# KiCad board MegaGRRLDesktop.kicad_pcb-v0.6.kicad_pcb (continued)
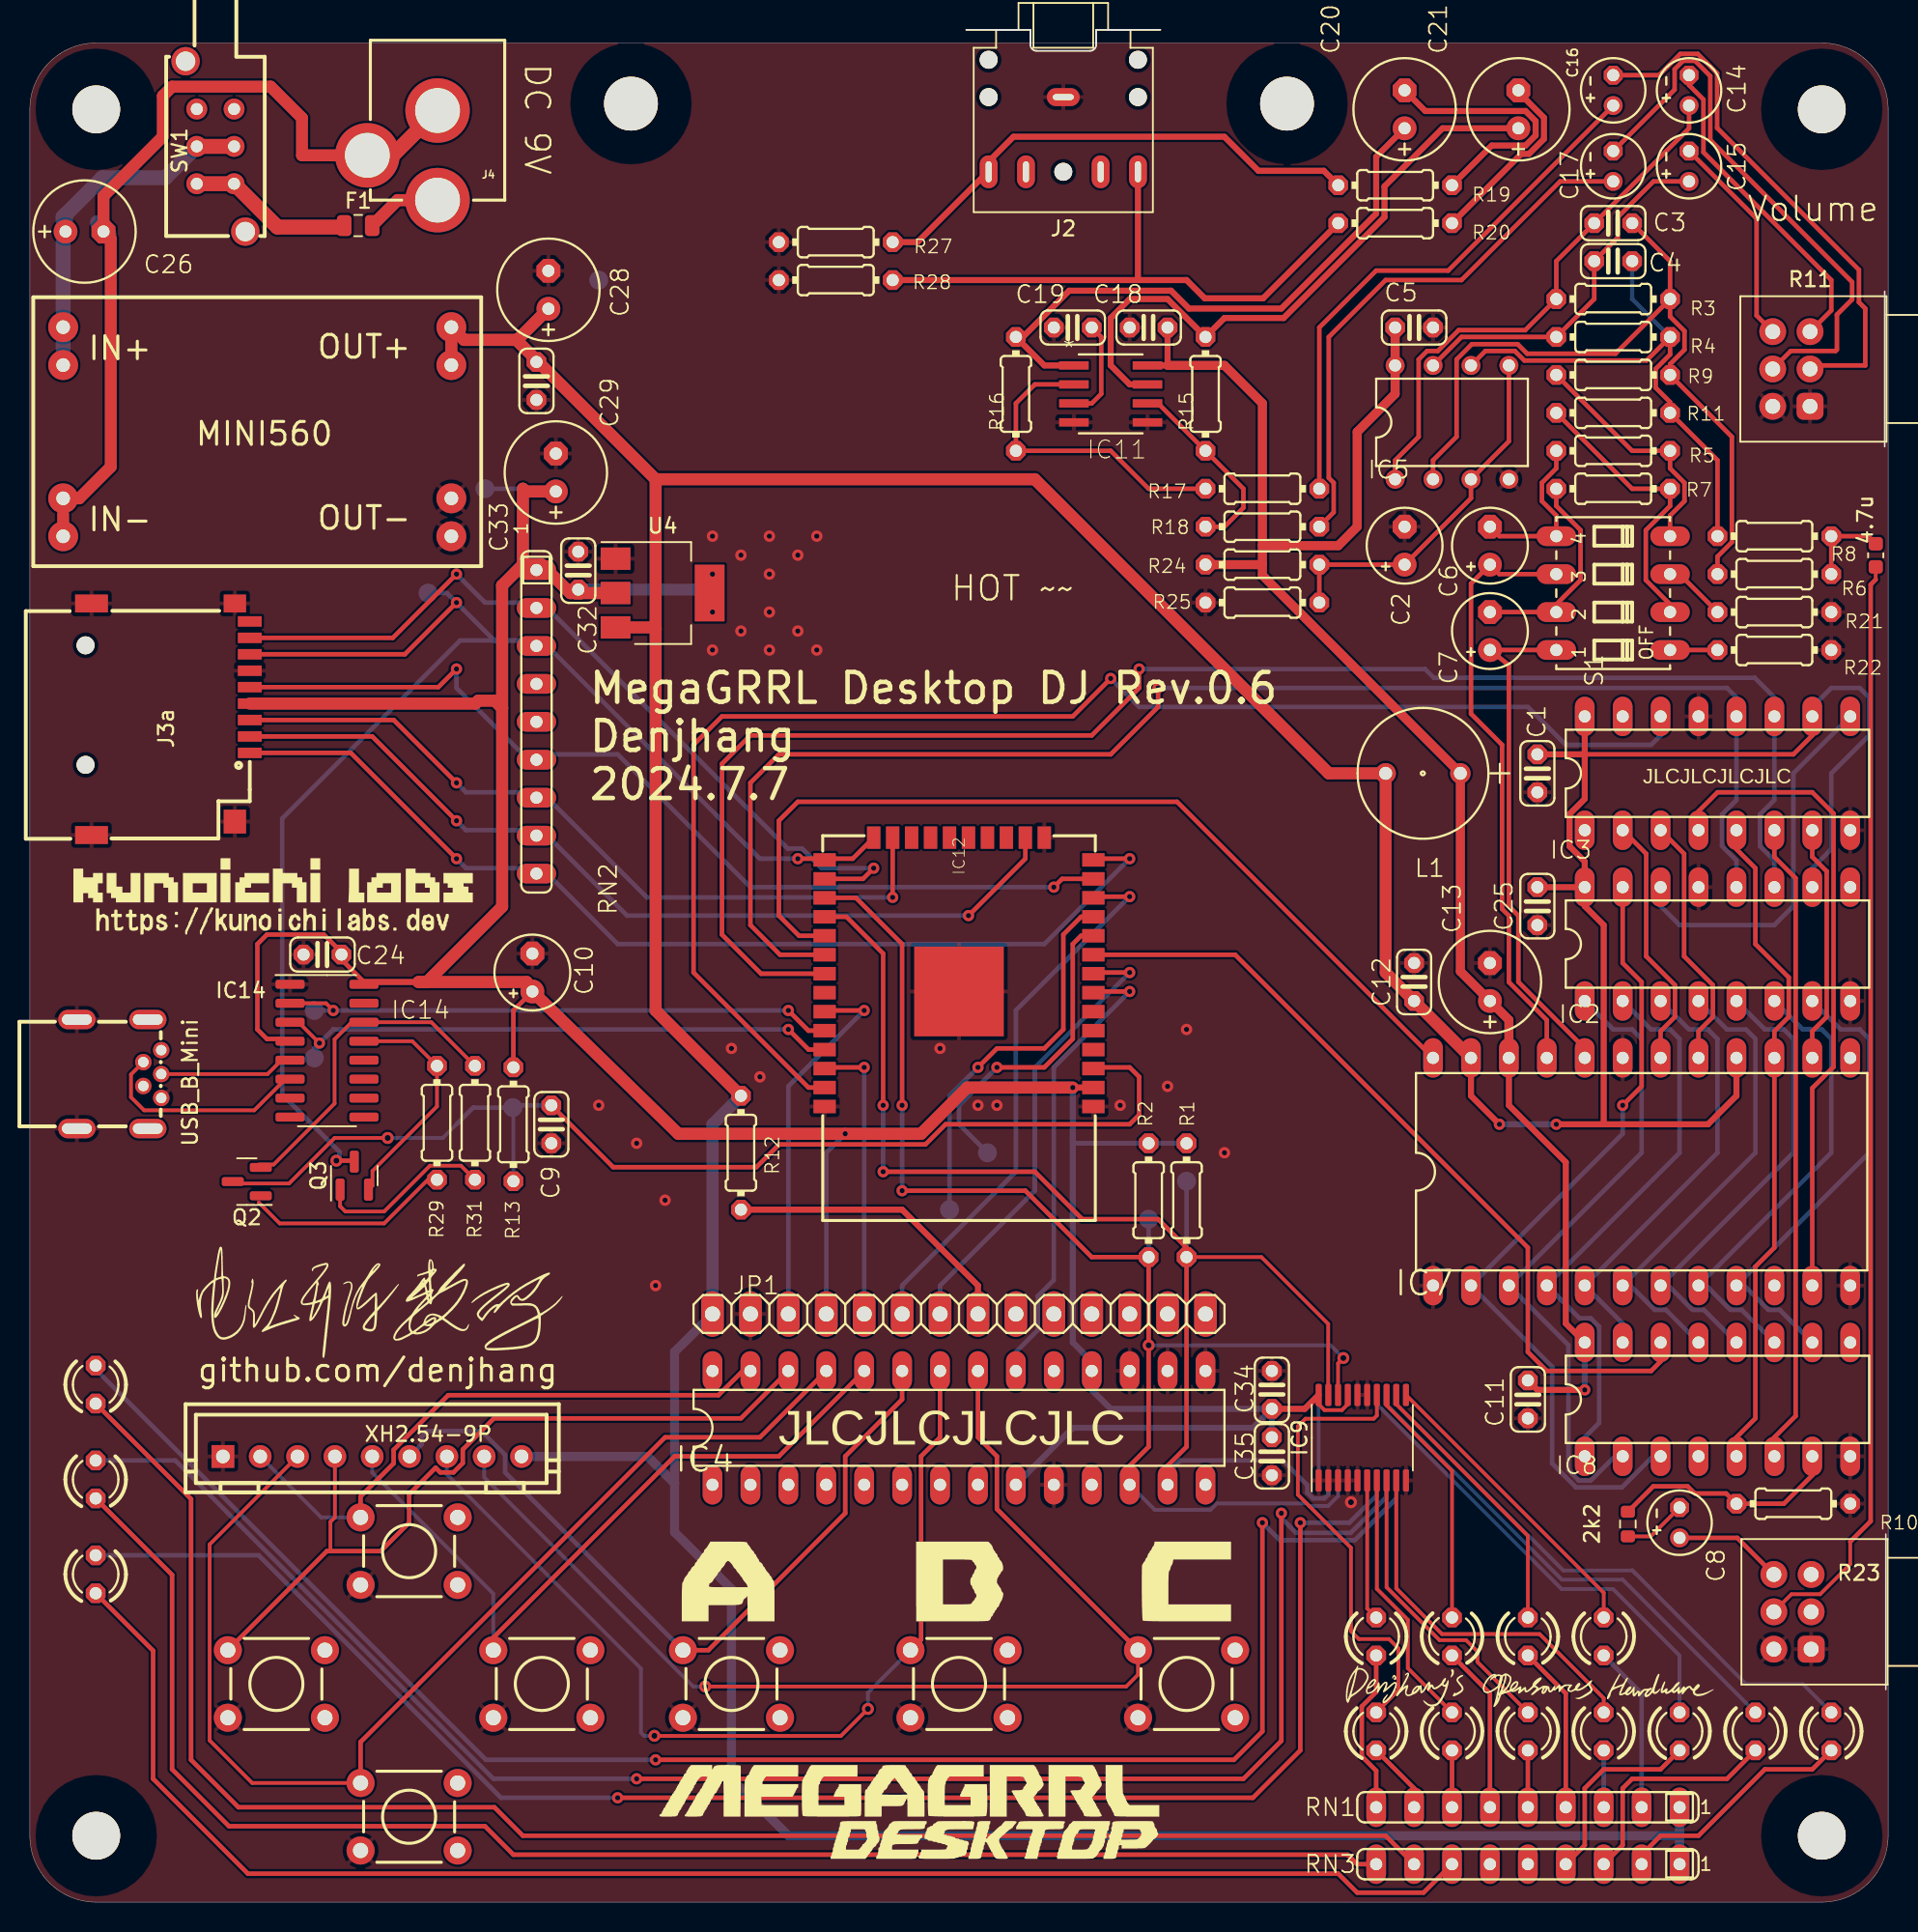
[diagram p0: board, top side]
## Nets
+3V3: C10.+ C24.1 C32.1 C33.+ C34.1 C35.1 IC4.9 IC4.18 IC9.17 IC9.20 IC10.1 IC10.20 IC12.2 IC14.4 IC14.16 J3a.4 JP1.4 R1.2 R2.2 R13.2 RN2.1 TP_3V3.TP U4.2 U4.4
+5V: C1.1 C12.1 C25.1 C28.+ C29.1 IC2.10 IC2.16 IC3.10 IC3.16 IC7./RD IC7.VCC JP1.1 L1.2 R12.2 REF**.4 RN1.1 RN3.1 U4.3 XH2.54-9P.9
+12V: C26.+ REF**.1 SW1.3 SW1.4
GND: C1.2 C2.- C5.2 C9.2 C10.- C11.2 C12.2 C13.- C18.2 C19.2 C24.2 C25.2 C28.- C29.2 C32.2 C33.- C34.2 C35.2 IC2.8 IC2.13 IC3.8 IC3.13 IC4.10 IC4.15 IC4.16 IC4.17 IC5.4 IC7.AGND IC7.GND@1 IC7.GND@2 IC8.GND IC9.1 IC9.2 IC9.3 IC9.4 IC9.5 IC9.10 IC9.15 IC9.16 IC10.2 IC10.3 IC10.4 IC10.5 IC10.10 IC10.15 IC10.16 IC10.17 IC11.4 IC11.5 IC12.1 IC12.15 IC12.38 IC12.GND IC14.1 J2.S J3a.6 J3a.10 J3a.11 J3a.12 J3a.13 JP1.2 R10.2 R11#2.1 R11#2.4 R21.1 R22.1 R23.1 R23.4 R25.1 R27.1 R28.1 REF**.3 SWA0.3 SWB0.3 SWC0.3 SWDOWN0.3 SWLEFT0.3 SWRIGHT0.3 SWUP0.3 TP_GND0.TP U4.1 USB_B_Mini.5 USB_B_Mini.6 USB_B_Mini.7 XH2.54-9P.1
GND-IN: C26.- J4.GND J4.GNDBREAK REF**.2
+5V/2: C5.1 C11.1 C13.+ C18.1 IC5.8 IC7.AVCC IC8.VCC IC11.8 L1.1 R24.2
/Audio/AUDIO_LINEL: C16.+ R17.1
/Audio/AUDIO_LINER: C17.+ R18.1
/Keys/KEY_A: IC4.23 SWA0.1 XH2.54-9P.6
/Keys/KEY_B: IC4.22 SWB0.1 XH2.54-9P.7
/Keys/KEY_C: IC4.21 SWC0.1 XH2.54-9P.8
/Keys/KEY_DOWN: IC4.25 SWDOWN0.1 XH2.54-9P.3
/Keys/KEY_LEFT: IC4.26 SWLEFT0.1 XH2.54-9P.4
/Keys/KEY_RIGHT: IC4.24 SWRIGHT0.1 XH2.54-9P.5
/Keys/KEY_UP: IC4.27 SWUP0.1 XH2.54-9P.2
/LED drivers/FM1: IC9.14 LED1.K
/LED drivers/FM1N: LED1.A RN1.8
/LED drivers/FM2: IC9.7 LED2.K
/LED drivers/FM2N: LED2.A RN1.7
/LED drivers/FM3: IC9.8 LED3.K
/LED drivers/FM3N: LED3.A RN1.5
/LED drivers/FM4: IC9.9 LED4.K
/LED drivers/FM4N: LED4.A RN1.3
/LED drivers/FM5: IC10.7 LED5.K
/LED drivers/FM5N: LED5.A RN3.4
/LED drivers/FM6: IC10.8 LED6.K
/LED drivers/FM6N: LED6.A RN3.3
/LED drivers/FMS: IC10.9 LED7.K
/LED drivers/FMSN: LED7.A RN3.2
/LED drivers/PSG1: IC9.6 LED8.K
/LED drivers/PSG1N: LED8.A RN1.9
/LED drivers/PSG2: IC9.13 LED9.K
/LED drivers/PSG2N: LED9.A RN1.6
/LED drivers/PSG3: IC9.12 LED10.K
/LED drivers/PSG3N: LED10.A RN1.4
/LED drivers/PSGS: IC9.11 LED11.K
/LED drivers/PSGSN: LED11.A RN1.2
/LED drivers/USERA: IC10.12 LED12.K
/LED drivers/USERAN: LED12.A RN3.8
/LED drivers/USERB: IC10.13 LED13.K
/LED drivers/USERBN: LED13.A RN3.9
/LED drivers/USERC: IC10.14 LED14.K
/LED drivers/USERCN: LED14.A RN3.7
/MCU & interface/ESP32_RESET: C9.1 IC12.3 Q2.3 R13.1 TP_RESET0.TP
/MCU & interface/LCD_/CS: IC12.33 JP1.3
/MCU & interface/LCD_CLK: IC12.8 JP1.7
/MCU & interface/LCD_DC: IC12.36 JP1.5
/MCU & interface/LCD_MOSI: IC12.12 JP1.6
/MCU & interface/RXD: IC12.34 IC14.2 TP_RX0.TP
/MCU & interface/SD_CLK: IC12.13 J3a.5 RN2.6
/MCU & interface/SD_CMD: IC12.23 J3a.3 RN2.7
/MCU & interface/SD_D0: IC12.24 IC12.25 J3a.7 Q3.3 RN2.3 TP_BOOTMODE0.TP
/MCU & interface/SD_D1: IC12.26 J3a.8 RN2.2
/MCU & interface/SD_D2: IC12.14 J3a.1 RN2.9
/MCU & interface/SD_D3: IC12.16 J3a.2 RN2.8
/MCU & interface/TXD: IC12.35 IC14.3 TP_TX0.TP
/Sound chips & bus//CS_FM: IC3.7 IC7./CS
/Sound chips & bus//CS_PSG: IC3.6 IC8./OE
/Sound chips & bus//IC: IC3.4 IC7./IC
/Sound chips & bus//WR: IC3.5 IC7./WR IC8./WE
/Sound chips & bus/A0: IC3.3 IC7.A0
/Sound chips & bus/A1: IC3.2 IC7.A1
/Sound chips & bus/D0: IC2.15 IC7.D0 IC8.D7
/Sound chips & bus/D1: IC2.1 IC7.D1 IC8.D6
/Sound chips & bus/D2: IC2.2 IC7.D2 IC8.D5
/Sound chips & bus/D3: IC2.3 IC7.D3 IC8.D4
/Sound chips & bus/D4: IC2.4 IC7.D4 IC8.D3
/Sound chips & bus/D5: IC2.5 IC7.D5 IC8.D2
/Sound chips & bus/D6: IC2.6 IC7.D6 IC8.D1
/Sound chips & bus/D7: IC2.7 IC7.D7 IC8.D0
AUDIO_FML: C6.+ IC7.MOL S1.6
AUDIO_FMR: C7.+ IC7.MOR S1.8
AUDIO_PSG: 2k2.1 IC8.SND_OUT R10.1
AUDIO_PSG2: 2k2.2 C8.-
CLK_FM: IC7.M IC12.29
CLK_PSG: IC8.CLOCK IC12.9
DC-IN: F1.1 SW1.1 SW1.2
KEY_INT: IC4.20 IC12.7
PSG_MIX1: 4.7u.1 R23.5
SCL: IC4.12 IC9.18 IC10.18 IC12.27 R2.1 TP_SCL0.TP
SDA: IC4.13 IC9.19 IC10.19 IC12.28 R1.1 TP_SDA0.TP
SHCLK: IC2.11 IC3.11 IC12.31
SHDATA: IC3.14 IC12.37
SHSTO: IC2.12 IC3.12 IC12.30
VBIAS: C2.+ IC5.3 IC5.5 R24.1 R25.2
Net-(C8-Pad+): C8.+ R23.6
Net-(C20-Pad-): C20.- R19.1
Net-(C21-Pad-): C21.- R20.1
Net-(D3-PadA): F1.2 J4.PWR
Net-(IC2A-SER): IC2.14 IC3.9
Net-(IC5A--IN): C3.1 IC5.2 R3.2 R6.1 R9.1
Net-(IC5A-OUT): C3.2 C14.+ IC5.1 R3.1
Net-(IC5B--IN): C4.1 IC5.6 R4.2 R8.1 R11.1
Net-(IC5B-OUT): C4.2 C15.+ IC5.7 R4.1
Net-(IC11-BYPASS): C19.1 IC11.3
Net-(IC11-IN1-): IC11.2 R16.1 R17.2
Net-(IC11-IN2-): IC11.6 R15.1 R18.2
Net-(IC11-VO1): C20.+ IC11.1 R16.2
Net-(IC11-VO2): C21.+ IC11.7 R15.2
Net-(IC12-IO25): EX_A0.TP IC12.10
Net-(IC12-IO26): EX_B0.TP IC12.11
Net-(IC14-UD+): IC14.5 USB_B_Mini.3
Net-(IC14-UD-): IC14.6 USB_B_Mini.2
Net-(IC14-~{DTR}): IC14.13 Q3.2 R29.1
Net-(IC14-~{RTS}): IC14.14 Q2.2 R31.1
Net-(J2-RING): J2.R R20.2 R28.2
Net-(J2-TIP): J2.T R19.2 R27.2
Net-(JP1-Pad8): JP1.8 R12.1
Net-(Q2-B): Q2.1 R29.2
Net-(Q3-B): Q3.1 R31.2
Net-(R14A-E): C14.- R11#2.3
Net-(R14A-S): C16.- R11#2.2
Net-(R14B-E): C15.- R11#2.6
Net-(R14B-S): C17.- R11#2.5
Net-(R22-Pad2): R22.2 S1.1
Net-(R23-PadS): 4.7u.2 R6.2 R8.2
Net-(S1B-1): R7.1 R11.2 S1.2
Net-(S1B-2): C7.- R7.2 S1.7
Net-(S1C-1): R21.2 S1.3
Net-(S1D-1): R5.1 R9.2 S1.4
Net-(S1D-2): C6.- R5.2 S1.5

Pads without a net: IC2 9; IC3 1 15; IC4 1 2 3 4 5 6 7 8 11 14 19 28; IC7 /IRQ NC; IC8 NC READY; IC10 6 11; IC12 4 5 6 17 18 19 20 21 22 32; IC14 7 8 9 10 11 12 15; J2 RN TN; J3a CD; JP1 9 10 11 12 13 14; R23 2 3; RN2 4 5; RN3 5 6; SW1 5 6 7 8; SWA0 2 4; SWB0 2 4; SWC0 2 4; SWDOWN0 2 4; SWLEFT0 2 4; SWRIGHT0 2 4; SWUP0 2 4; USB_B_Mini 1 4

## Via types
v1: diameter 0.756, hole 0.35, Top to Bottom, 69 vias
v2: diameter 0.8, hole 0.4, Top to Bottom, 8 vias

## Routing (per net, layer and track width the routed paths; a pad name or vN(x,y) marks a point on that pad's centre or on a via; arc(x,y) is an arc through that point)
+3V3: length 247.2
  Top w0.25: IC9.17 88.27,33.33 87.87,32.94 86.71,32.94 86.32,33.33 IC9.20
  Top w0.305: 16.99,57.78 15.88,57.78 15.24,58.42 15.24,64.13 15.88,64.77 19.69,64.77 20.95,63.5 20.95,63.02 22.38,61.59 ; R13.2 32.38,59.69 C10.+
  Top w0.406: v1(69.85,54.53) IC12.2 ; C34.1 85.39,33.02 IC9.20 ; 22.38,61.59 26.03,61.59
  Top w0.813: 33.02,89.53 31.63,88.14 31.63,79.93 ; 33.02,89.53 33.02,94.61 33.2,94.43 C33.+ ; 33.02,89.53 34.29,89.53 36.19,87.63 37.83,87.63 37.83,87.63 U4.2 ; 31.63,79.93 31.63,66.63 26.59,61.59 26.03,61.59 33.27,61.59 C10.+ 43.43,51.44 v1(54.61,51.44) 59.69,51.44 62.78,54.53 v1(69.85,54.53) ; 31.63,79.93 31.13,80.43 30.03,80.43 29.83,80.23 J3a.4
  Bottom w0.25: IC10.20 IC9.20
  Bottom w0.305: v1(54.61,51.44) 53.34,50.16 JP1.4 ; R1.2 R2.2 69.85,50.8 ; TP_3V3.TP 33.02,94.61
  Bottom w0.406: IC9.20 85.39,33.02 C34.1 ; C34.1 C35.1 ; C34.1 72.39,33.02 71.12,34.29 IC4.18 71.12,36.19 69.85,37.47 v1(69.85,54.53) ; C34.1 81.92,31.75 69.85,31.75 IC4.9
  Bottom w0.8: C32.1 44.68,87.86 v1(45.72,88.9) v1(45.72,86.36)
  Bottom w0.813: 33.02,94.61 33.2,94.43 C33.+
+5V: length 373.3
  Top w0.305: IC3.10 119.38,78.1 118.11,76.83 104.14,76.83
  Top w0.406: IC7.VCC 96.52,53.97 v1(98.42,52.07) ; 104.14,76.83 104.14,73.85 103.12,72.84 103.12,70.67 104.14,69.66 IC2.16 ; 104.14,76.83 IC3.16 ; 104.14,76.83 C1.1 ; 105.41,52.07 105.41,65.41 104.14,66.67 IC2.16 ; 105.41,52.07 v1(102.23,52.07) ; 105.41,52.07 112.39,52.07 114.3,53.97 IC7./RD ; IC2.16 C25.1
  Top w0.8: L1.2 90.8,62.23 C12.1 IC7.VCC
  Top w0.813: 41.91,95.25 32.58,104.58 ; 41.91,95.25 67.31,95.25 86.99,75.56 L1.2 ; 41.91,95.25 41.91,85.23 ; 32.58,104.58 32.65,104.58 C28.+ ; 32.58,104.58 29.08,104.58 REF**.4 REF**.4 ; 41.91,85.23 41.81,85.33 U4.3 ; 41.91,85.23 41.91,59.69 R12.2
  Bottom w0.305: IC2.10 119.38,69.21 120.65,70.48 120.65,75.56 123.19,78.1 123.19,80.64 122.55,81.28 120.65,81.28 119.38,80.01 IC3.10
  Bottom w0.406: v1(102.23,52.07) v1(98.42,52.07)
  Bottom w0.61: 43.18,28.03 43.18,24.76 46.99,20.95 46.99,8.25 50.8,4.44 110.49,4.44 ; 43.18,28.03 43.18,36.83 JP1.1 ; 43.18,28.03 41.38,29.83 XH2.54-9P.9 ; RN1.1 110.49,4.44 ; 110.49,4.44 RN3.1
  Bottom w0.813: JP1.1 45.72,52.07 R12.2
+12V: length 24.5
  Top w1: SW1.3 SW1.4
  Bottom w1: C26.+ 2.39,112.97 ; 2.39,112.97 2.23,112.81 REF**.1 ; 2.39,112.97 4.86,115.43 9.08,115.43 SW1.4
GND:
  vias: v1(38.1,53.34) v1(40.64,50.8) v1(41.91,41.27) v1(42.55,46.99) v1(45.72,91.44) v1(45.72,83.82) v1(46.99,57.15) v1(47.62,90.17) v1(47.62,85.09) v1(48.89,55.24) v1(49.53,91.44) v1(49.53,88.9) v1(49.53,86.36) v1(49.53,83.82) v1(51.43,90.17) v1(51.43,85.09) v1(52.7,91.44) v1(52.7,83.82) v1(60.96,57.15) v1(63.5,53.34) v1(64.77,53.34) v1(73.02,53.34) v1(76.2,54.61) v1(77.47,58.42) v1(80.01,50.16) v2(88.48,26.77)
GND-IN: length 58.7
  Top w0.25: 22.6,116.93 20.83,116.93 ; 22.83,116.63 22.6,116.86 J4.GNDBREAK 24.3,116.94
  Top w0.8: REF**.2 3.31,93.97 5.42,96.08 5.42,111.34 C26.- 4.93,114.21 8.91,118.19 8.91,120.91 9.53,121.53 16.13,121.53 18.23,119.44 18.23,116.94 J4.GNDBREAK ; REF**.2 2.23,92.89
  Top w1: J4.GND 24.3,116.94
  Bottom w1: 5.3,111.66 4.53,112.43
+5V/2: length 115.4
  Top w0.406: IC11.8 76.2,102.87 C18.1 ; C11.1 100.96,34.29 v1(104.14,34.29) ; IC7.AVCC 99.06,53.34 102.87,49.53 102.87,38.73 IC8.VCC
  Top w0.61: R24.2 82.55,89.53 ; 82.55,89.53 82.55,90.8 ; 82.55,89.53 82.55,88.82 L1.1 95.81,62.31 C13.+ 99.06,59.05 IC7.AVCC ; 76.2,102.87 80.01,102.87 82.55,100.33 82.55,90.8 ; 82.55,90.8 87.63,90.8 88.9,92.07 88.9,98.42 91.44,100.96 IC5.8 C5.1
  Bottom w0.406: IC8.VCC v1(104.14,34.29)
/Audio/AUDIO_LINEL: length 36.6
  Top w0.305: R17.1 86.36,105.41 90.17,109.22 95,109.22 C16.+
/Audio/AUDIO_LINER: length 36.6
  Top w0.305: C17.+ 102.49,115.19 95.89,108.58 90.8,108.58 86.99,104.78 86.99,95.34 87.33,95.01 87.33,93.04 R18.1
/Keys/KEY_A: length 51.8
  Top w0.305: IC4.23 58.42,33.66 54.61,29.84 54.61,26.03 45.44,16.87 SWA0.1
  Bottom w0.305: SWA0.1 31.83,28.78 31.83,29.94 30.24,31.53 26.63,31.53 26.23,31.13 26.23,30.63 XH2.54-9P.6
/Keys/KEY_B: length 64.5
  Top w0.25: v2(41.83,11.13) 41.84,11.13 54.32,11.13 v2(56.13,12.93)
  Top w0.305: IC4.22 60.96,31.12 59.69,29.84 59.69,17.58 SWB0.1
  Bottom w0.25: XH2.54-9P.7 27.93,28.63 40.93,15.63 40.93,11.33 41.13,11.13 v2(41.83,11.13) ; SWB0.1 56.13,14.02 v2(56.13,12.93)
/Keys/KEY_C: length 76.4
  Top w0.25: v2(45.23,14.43) 73.43,14.43 74.22,15.22 SWC0.1
  Top w0.305: SWC0.1 64.77,26.31 64.77,29.84 63.5,31.12 IC4.21
  Bottom w0.25: v2(45.23,14.43) 44.43,14.43 30.43,28.43 XH2.54-9P.8 30.23,29.63
/Keys/KEY_DOWN: length 77
  Top w0.25: XH2.54-9P.3 12.04,23.95 12.04,10.82 14.89,7.98 SWDOWN0.1
  Top w0.305: IC4.25 48.89,31.12 42.55,31.12 22.15,10.72 SWDOWN0.1
/Keys/KEY_LEFT: length 53.7
  Top w0.25: 20.13,23.5 20.13,25.45 20.43,25.75 XH2.54-9P.4
  Top w0.305: IC4.26 47.62,32.38 31.08,32.38 29,30.3 29,29.39 28.37,28.77 27.49,28.77 27.17,29.08 25.4,27.31 25.4,25.4 23.49,23.5 19.89,23.5 SWLEFT0.1
/Keys/KEY_RIGHT: length 49.4
  Top w0.305: SWRIGHT0.1 31.04,17.7 43.18,29.84 50.17,29.84 IC4.24
  Bottom w0.25: SWRIGHT0.1 31.04,20.65 22.93,28.76 XH2.54-9P.5
/Keys/KEY_UP: length 39.9
  Top w0.305: IC4.27 47.75,35.56 46.12,33.93 28.02,33.93 24.36,30.28 24.36,29.37 22.15,27.15 SWUP0.1
  Bottom w0.25: SWUP0.1 19.51,25.76 XH2.54-9P.2
/LED drivers/FM1: length 30.7
  Top w0.25: 91.66,16.99 91.04,17.61 89,17.61 88.48,18.14 88.48,23.72 84.92,27.28 84.92,31.85 85.43,32.36 90,32.36 90.22,32.57 IC9.14
  Top w0.254: LED1.K 91.66,14.19 91.66,16.99
/LED drivers/FM1N: length 4.9
  Top w0.305: RN1.8 92.71,7.62 LED1.A
/LED drivers/FM2: length 17.6
  Top w0.254: IC9.7 90.22,20.97 92.29,18.9 92.29,15.66 LED2.K
/LED drivers/FM2N: length 3.8
  Top w0.305: LED2.A RN1.7
/LED drivers/FM3: length 20.5
  Top w0.25: 96.95,16.78 96.19,17.54 94.41,17.54 90.87,21.08 IC9.8
  Top w0.254: 96.95,16.78 96.95,16.08 LED3.K
/LED drivers/FM3N: length 3.8
  Top w0.305: LED3.A RN1.5
/LED drivers/FM4: length 25.1
  Top w0.254: 91.52,28.23 91.52,21 94.58,17.94 101.12,17.94 105.41,13.65 LED4.K
/LED drivers/FM4N: length 3.8
  Bottom w0.305: LED4.A RN1.3
/LED drivers/FM5: length 31.7
  Bottom w0.254: IC10.7 90.22,33.33 102.59,20.95 106.05,20.95 110.49,16.51 LED5.K
/LED drivers/FM5N: length 13
  Top w0.305: RN3.4 104.14,3.81 104.14,7.62 105.41,8.89 109.22,8.89 LED5.A
/LED drivers/FM6: length 33.9
  Bottom w0.254: LED6.K 106.68,21.59 102.61,21.59 90.87,33.33 IC10.8
/LED drivers/FM6N: length 15.5
  Top w0.305: LED6.A 113.67,8.25 107.31,8.25 106.68,7.62 106.68,3.81 RN3.3
/LED drivers/FMS: length 38.6
  Bottom w0.25: 91.52,33.95 91.52,33.33 92.98,31.87 93.04,31.87 102.7,22.2 107.34,22.2 107.56,21.98
  Bottom w0.254: 107.31,22.22 114.93,14.6 118.74,14.6 LED7.K
/LED drivers/FMSN: length 16.2
  Top w0.305: LED7.A 119.38,8.89 116.2,8.89 111.76,4.44 109.22,4.44 107.95,3.17 RN3.2
/LED drivers/PSG1: length 9.4
  Top w0.25: IC9.6 89.57,19.65 LED8.K
/LED drivers/PSG1N: length 11
  Top w0.305: LED8.A 90.17,14.06 89.2,13.1 89.2,9.76 90.17,8.79 RN1.9
/LED drivers/PSG2: length 16.7
  Top w0.25: LED9.K 95.25,28.87 90.87,33.25 IC9.13
/LED drivers/PSG2N: length 11.2
  Top w0.305: LED9.A 97.79,13.97 RN1.6
/LED drivers/PSG3: length 18.6
  Top w0.25: LED10.K 100.33,24.52 91.52,33.33 91.52,33.95
/LED drivers/PSG3N: length 11.2
  Top w0.305: RN1.4 102.87,13.97 LED10.A
/LED drivers/PSGS: length 20.4
  Top w0.25: IC9.11 105.41,20.71 LED11.K
/LED drivers/PSGSN: length 11.2
  Bottom w0.305: LED11.A 107.95,13.97 RN1.2
/LED drivers/USERA: length 115.8
  Top w0.305: v1(82.55,25.4) 82.55,11.43 80.64,9.53 v1(41.91,9.53)
  Bottom w0.305: v1(41.91,9.53) 30.54,9.53 4.41,35.66 LED12.K ; v1(82.55,25.4) 83.72,24.23 88.73,24.23 91.52,27.01 91.52,28.23
/LED drivers/USERAN: length 111.3
  Top w0.305: LED12.A 10.8,26.99 10.8,9.53 13.97,6.35 31.11,6.35 33.02,4.44 90.8,4.44 RN3.8
/LED drivers/USERB: length 114.4
  Top w0.305: v1(40.64,8.25) 81.28,8.25 83.82,10.79 v1(83.82,26.03)
  Bottom w0.305: v1(40.64,8.25) 31.05,8.25 9.74,29.57 LED13.K ; v1(83.82,26.03) 83.82,25.7 84.81,24.72 88.46,24.72 90.87,27.13 IC10.13
/LED drivers/USERBN: length 103.5
  Top w0.305: RN3.9 88.9,2.54 88.27,3.17 32.38,3.17 30.48,5.08 13.33,5.08 9.52,8.89 9.52,21.91 LED13.A
/LED drivers/USERC: length 110.8
  Top w0.305: v1(39.37,6.98) 81.92,6.98 85.09,10.16 v1(85.09,25.4)
  Bottom w0.305: IC10.14 90.22,27.24 88.38,25.4 v1(85.09,25.4) ; LED14.K 15.33,23.22 31.56,6.98 v1(39.37,6.98)
/LED drivers/USERCN: length 105
  Top w0.305: RN3.7 93.34,0.63 88.9,0.63 87.63,1.91 14.6,1.91 8.25,8.25 8.25,16.83 LED14.A
/MCU & interface/ESP32_RESET: length 76.9
  Top w0.25: Q2.3 13.72,48.11 17.36,48.11 20.41,51.16 v2(23.96,51.16)
  Top w0.305: C9.1 39.07,49.2 48.66,49.2 50.18,50.72 59.98,50.72 61.33,52.07 73.66,52.07 74.3,52.7 74.3,55.24 73.66,55.88 71.31,55.88 IC12.3
  Bottom w0.25: v2(23.96,51.16) 27.66,51.16 28.61,52.1 ; TP_RESET0.TP 32.38,53.15 R13.1
  Bottom w0.305: 28.61,52.1 29.69,53.19 TP_RESET0.TP 32.5,53.34 C9.1
/MCU & interface/LCD_/CS: length 25.1
  Top w0.305: IC12.33 53.31,59.69 v1(55.88,59.69)
  Bottom w0.305: JP1.3 50.8,54.61 v1(55.88,59.69)
/MCU & interface/LCD_CLK: length 30.6
  Top w0.305: v1(73.66,62.23) 71.31,62.23 IC12.8
  Bottom w0.305: v1(73.66,62.23) 67.31,55.88 67.31,47.62 60.96,41.27 JP1.7
/MCU & interface/LCD_DC: length 19.2
  Top w0.305: v1(55.88,55.88) 53.31,55.88 IC12.36
  Bottom w0.305: v1(55.88,55.88) JP1.5
/MCU & interface/LCD_MOSI: length 36.7
  Top w0.305: v1(73.66,67.31) 71.31,67.31 IC12.12
  Bottom w0.305: JP1.6 58.42,41.27 66.04,48.89 66.04,59.69 v1(73.66,67.31)
/MCU & interface/RXD: length 37.8
  Top w0.25: v1(20.32,59.69) 19.84,60.17 IC14.2
  Top w0.305: v1(50.8,59.69) 52.15,58.34 IC12.34
  Bottom w0.305: TP_RX0.TP v1(20.32,59.69) v1(50.8,59.69)
/MCU & interface/SD_CLK: length 64
  Top w0.305: J3a.5 27.36,81.33 v1(28.58,82.55) ; IC12.13 69.14,68.5 v1(68.58,67.94)
  Bottom w0.305: v1(68.58,67.94) 48.26,67.94 39.37,76.83 33.02,76.83 28.58,81.28 v1(28.58,82.55)
/MCU & interface/SD_CMD: length 52
  Top w0.305: J3a.3 24.37,79.13 v1(28.58,74.93) ; IC12.23 v1(57.78,67.26)
  Bottom w0.305: v1(57.78,67.26) 41.32,67.26 34.29,74.3 29.21,74.3 v1(28.58,74.93)
/MCU & interface/SD_D0: length 100
  Top w0.305: J3a.7 25.11,83.53 v1(28.58,86.99) ; v2(20.53,49.63) 21.67,49.63 Q3.3 ; v1(51.43,69.85) 53.15,69.85 IC12.25 53.31,69.85 55.11,69.85 IC12.24
  Bottom w0.305: 33.02,84.45 34.29,84.45 48.89,69.85 v1(51.43,69.85) ; 33.02,84.45 31.11,84.45 v1(28.58,86.99) 27.94,87.63 TP_BOOTMODE0.TP ; 33.02,84.45 28.82,84.45 16.9,72.54 16.9,54.06 20.73,50.23 20.73,49.83 v2(20.53,49.63)
/MCU & interface/SD_D1: length 55.3
  Top w0.305: J3a.8 24.31,84.63 v1(28.58,88.9) ; IC12.26 55.8,68.5 v1(56.52,69.21)
  Bottom w0.305: v1(56.52,69.21) 53.04,69.21 51.72,70.53 50.75,70.53 34.29,86.99 30.48,86.99 v1(28.58,88.9)
/MCU & interface/SD_D2: length 69.1
  Top w0.305: v1(73.66,69.85) 71.31,69.85 IC12.14 ; J3a.1 21.49,76.93 v1(28.58,69.85)
  Bottom w0.305: v1(28.58,69.85) 29.21,69.21 34.29,69.21 39.37,64.13 67.95,64.13 v1(73.66,69.85)
/MCU & interface/SD_D3: length 59.9
  Top w0.305: v1(28.58,72.39) 22.93,78.03 J3a.2 ; IC12.16 66.67,69.85 v1(62.86,66.04)
  Bottom w0.305: v1(28.58,72.39) 29.21,71.75 34.29,71.75 40,66.04 v1(62.86,66.04)
/MCU & interface/TXD: length 38.4
  Top w0.25: v1(19.39,57.51) 18,58.9 IC14.3
  Top w0.305: IC12.35 52.15,57.07 v1(50.8,58.42)
  Bottom w0.305: v1(50.8,58.42) 20.32,58.42 19.05,57.15 TP_TX0.TP
/Sound chips & bus//CS_FM: length 16
  Top w0.305: IC7./CS 119.38,58.3 120.35,59.26 120.35,69.01 119.38,69.97 IC3.7
/Sound chips & bus//CS_PSG: length 43.1
  Top w0.305: IC3.6 116.84,69.97 118.26,68.55 118.26,32.54 116.84,31.12 IC8./OE
/Sound chips & bus//IC: length 43.6
  Top w0.305: IC7./IC 119.38,54.49 120.8,55.91 120.8,72.87 119.38,74.3 113.03,74.3 111.76,73.02 IC3.4
/Sound chips & bus//WR: length 44.8
  Top w0.305: IC8./WE 114.3,31.12 115.57,32.38 115.57,42.55 116.84,43.81 IC7./WR 116.84,58.3 117.81,59.26 117.81,61.9 115.57,64.13 115.57,69.21 114.3,70.48 IC3.5
/Sound chips & bus/A0: length 17.1
  Top w0.305: IC7.A0 111.76,58.3 112.73,59.26 112.73,61.39 110.79,63.32 110.79,70.18 IC3.3
/Sound chips & bus/A1: length 17.1
  Top w0.305: IC3.2 108.25,70.18 108.25,63.32 110.19,61.39 110.19,59.26 109.22,58.3 IC7.A1
/Sound chips & bus/D0: length 54.9
  Top w0.305: v1(106.68,53.34) 107.95,54.61 107.95,61.59 106.68,62.86 IC2.15
  Bottom w0.305: v1(106.68,53.34) 106.68,51.44 IC7.D0 101.96,35.84 101.96,29.36 103.55,27.76 106.62,27.76 108.71,29.84 IC8.D7
/Sound chips & bus/D1: length 43.7
  Bottom w0.305: IC2.1 106.05,58.42 107.31,58.42 107.95,57.78 107.95,50.16 IC7.D1 103.05,37.29 103.05,28.91 103.74,28.22 104.54,28.22 106.17,29.84 IC8.D6
/Sound chips & bus/D2: length 38.8
  Bottom w0.305: IC2.2 108.58,58.42 109.86,58.42 110.49,57.78 110.49,50.16 IC7.D2 103.78,39.09 104.54,39.09 105.11,38.53 105.11,32.08 104.14,31.12 IC8.D5
/Sound chips & bus/D3: length 29.9
  Bottom w0.305: IC2.3 111.12,58.42 112.39,58.42 113.03,57.78 113.03,50.16 IC7.D3 106.68,38.73 IC8.D4
/Sound chips & bus/D4: length 31.7
  Bottom w0.305: IC8.D3 109.58,39.65 108.82,39.65 107.19,41.27 IC7.D4 115.57,50.16 115.57,57.78 114.93,58.42 113.67,58.42 IC2.4
/Sound chips & bus/D5: length 31.7
  Bottom w0.305: IC8.D2 112.12,39.65 111.36,39.65 109.73,41.27 IC7.D5 118.11,50.16 118.11,57.78 117.48,58.42 116.2,58.42 IC2.5
/Sound chips & bus/D6: length 31.7
  Bottom w0.305: IC8.D1 114.66,39.65 113.9,39.65 112.27,41.27 IC7.D6 120.65,50.16 120.65,57.78 120.02,58.42 118.74,58.42 IC2.6
/Sound chips & bus/D7: length 31.7
  Bottom w0.305: IC8.D0 117.2,39.65 116.44,39.65 114.81,41.27 IC7.D7 123.19,50.16 123.19,57.78 122.55,58.42 121.28,58.42 IC2.7
AUDIO_FML: length 40.4
  Top w0.305: S1.6 98.42,88.9 C6.+ 96.52,88.27 96.52,79.55 98.6,77.47 98.6,66.49 99.06,66.03 99.06,61.58 101.6,59.04 IC7.MOL
AUDIO_FMR: length 34.5
  Top w0.305: S1.8 C7.+ 99.06,82.8 99.06,66.67 99.7,66.04 99.7,61.59 104.14,57.15 IC7.MOR
AUDIO_PSG: length 15.6
  Top w0.305: IC8.SND_OUT 119.38,28.57 117.48,26.67 R10.1 113.61,27.36 111.51,27.36 111.03,27.83 108.73,27.83 2k2.1
AUDIO_PSG2: length 4.6
  Top w0.25: 2k2.2 108.56,24.48 C8.-
  Top w0.305: 110.74,26.67 C8.-
CLK_FM: length 61.4
  Top w0.305: IC12.29 51.52,64.69 50.17,66.04 50.17,72.39 51.43,73.66 76.83,73.66 IC7.M
CLK_PSG: length 55.2
  Top w0.305: IC12.9 80.73,63.42 100.33,43.81 100.33,36.83 101.6,35.56 108.58,35.56 109.22,36.19 IC8.CLOCK
DC-IN: length 11.2
  Top w0.25: 21.03,112.13 21.05,112.16 F1.1
  Top w1: 21.03,112.13 16.58,112.13 SW1.2 SW1.1
KEY_INT: length 31
  Top w0.305: IC12.7 71.31,60.96 v1(73.66,60.96)
  Bottom w0.305: IC4.20 66.04,36.83 67.51,38.3 67.51,40.57 68.58,41.64 68.58,55.88 v1(73.66,60.96)
PSG_MIX1: length 73.9
  Top w0.25: 121.92,24.13 121.92,22.62 119.91,20.61 117.98,20.61 R23.5 ; 4.7u.1 123.63,88.53
  Top w0.305: 121.92,24.13 123.29,25.5 123.29,88.2 123.63,88.53
SCL: length 91.9
  Top w0.25: v2(87.97,36.42) 87.62,36.07 IC9.18
  Top w0.305: v1(58.42,47.62) 66.67,47.62 71.12,43.18 R2.1 v2(74.93,37.27) 74.93,30.48 73.66,29.21 IC4.12 ; v1(58.42,53.34) 58.42,64.13 55.33,67.23 IC12.27
  Bottom w0.25: v2(74.93,37.27) 87.12,37.27 v2(87.97,36.42) ; IC10.18 87.62,27.18 86.96,26.52 85.69,26.52 85.51,26.69 79.51,26.69 79.08,26.26 75.34,26.26 IC4.12
  Bottom w0.305: R2.1 TP_SCL0.TP ; v1(58.42,53.34) v1(58.42,47.62)
SDA: length 93.8
  Top w0.25: IC9.19 86.96,33.96 86.96,38.71 82.49,43.18 R1.1
  Top w0.305: v1(57.15,53.34) 57.15,63.5 54.69,65.96 IC12.28 ; v1(57.15,48.89) 67.31,48.89 70.48,45.72 75.56,45.72 77.47,43.81 R1.1 77.47,30.48 76.2,29.21 IC4.13
  Bottom w0.305: IC10.19 86.97,27.29 86.7,27.03 85.94,27.03 85.56,27.41 85.56,27.91 83.91,29.57 77.05,29.57 76.2,28.71 IC4.13 ; v1(57.15,53.34) v1(57.15,48.89) ; R1.1 TP_SDA0.TP
SHCLK: length 107.5
  Top w0.305: v1(74.3,82.55) 74.3,81.28 71.12,78.1 48.26,78.1 46.36,76.2 46.36,64.77 48.98,62.15 IC12.31
  Bottom w0.305: v1(74.3,82.55) 93.44,82.55 94.03,81.96 115.52,81.96 116.84,80.64 IC3.11 116.84,73.78 115.87,72.82 115.87,70.69 116.84,69.73 IC2.11
SHDATA: length 97.2
  Top w0.305: v1(72.39,81.91) 69.85,79.38 46.36,79.38 44.45,77.47 44.45,62.23 52.15,54.53 IC12.37
  Bottom w0.305: v1(72.39,81.91) 74.3,80.01 100.33,80.01 102.87,77.47 108.58,77.47 109.22,78.1 IC3.14
SHSTO: length 98.5
  Top w0.305: v1(75.56,81.28) 75.56,80.01 72.39,76.83 50.17,76.83 48.26,74.93 48.26,65.41 50.24,63.42 IC12.30
  Bottom w0.305: v1(75.56,81.28) 113.67,81.28 114.3,80.64 IC3.12 114.3,73.78 113.33,72.82 113.33,70.69 114.3,69.73 IC2.12
VBIAS: length 24.5
  Top w0.305: IC5.5 99.06,97.79 IC5.3 96.52,93.98 C2.+ R24.1 R25.2
Net-(C8-Pad+): length 7.3
  Top w0.305: R23.6 114.35,24.38 C8.+
Net-(C20-Pad-): length 17.6
  Top w0.406: C20.- 93.46,119.9 100.17,119.9 100.85,119.22 100.85,118.27 100.17,117.59 97.9,117.59 R19.1
Net-(C21-Pad-): length 12.5
  Top w0.406: C21.- 99.7,121.17 101.41,119.46 101.41,118.03 100.41,117.03 99.89,117.03 R20.1
Net-(D3-PadA): length 5.1
  Top w0.813: F1.2 24.63,113.94 J4.PWR
Net-(IC2A-SER): length 25.5
  Bottom w0.305: IC3.9 118.11,75.56 118.11,66.67 116.84,65.41 110.49,65.41 109.22,66.67 IC2.14
Net-(IC5A--IN): length 52.6
  Top w0.305: R3.2 109.86,109.85 C3.1 ; R3.2 106.2,103.66 100.28,103.66 99.65,104.29 96.58,104.29 95.55,103.27 95.55,98.09 93.98,96.52 IC5.2 ; R3.2 109.86,106.14 110.82,105.17 110.82,103.92 109.86,102.95 R9.1 114,98.09 114,91.04 113.03,90.07 R6.1
Net-(IC5A-OUT): length 36.2
  Top w0.305: IC5.1 91.44,96.52 93.01,98.09 93.01,103.27 93.58,103.84 94.3,103.84 95.7,105.23 100.15,105.23 R3.1 102.23,109.85 C3.2 111.12,118.75 C14.+
Net-(IC5B--IN): length 36.2
  Top w0.305: IC5.6 97.49,103.84 99.46,103.84 100.09,103.2 108.28,103.2 R4.2 109.86,103.6 108.89,102.63 108.89,101.38 109.86,100.41 R11.1 113.03,96.52 R8.1
  Bottom w0.305: C4.1 107.31,107.31 R4.2
Net-(IC5B-OUT): length 24.5
  Top w0.305: IC5.7 95.89,104.78 R4.1 104.77,107.31 C4.2 106.35,111.43 106.35,112.79 108.74,115.19 C15.+
Net-(IC11-BYPASS): length 6.8
  Top w0.305: IC11.3 71.12,100.33 71.76,100.96 71.76,104.78 C19.1
Net-(IC11-IN1-): length 21.3
  Top w0.305: IC11.2 67.31,101.6 66.04,100.33 R16.1 72.39,97.16 74.93,94.61 R17.2
Net-(IC11-IN2-): length 13.1
  Top w0.305: R18.2 80.01,92.07 81.28,93.34 81.28,94.61 R15.1 75.56,100.33 IC11.6
Net-(IC11-VO1): length 39.7
  Top w0.406: IC11.1 67.95,102.87 R16.2 66.51,104.78 69.61,107.87 76.43,107.87 77.63,106.68 83.82,106.68 90.17,113.03 90.17,116.84 C20.+
Net-(IC11-VO2): length 42
  Top w0.406: C21.+ 94.61,118.75 90.73,114.86 90.73,112.8 83.98,106.04 80.01,106.04 R15.2 76.2,107.31 73.66,107.31 72.39,106.04 72.39,102.87 73.66,101.6 IC11.7
Net-(IC12-IO25): length 21.4
  Top w0.305: v1(64.77,55.88) 67.95,55.88 69.85,57.78 69.85,64.13 70.4,64.69 IC12.10
  Bottom w0.305: v1(64.77,55.88) 62.23,53.34 62.23,52.07 EX_A0.TP
Net-(IC12-IO26): length 25.9
  Top w0.305: IC12.11 70.4,65.96 69.21,64.77 69.21,58.42 67.95,57.15 64.77,57.15 v1(63.5,55.88)
  Bottom w0.305: v1(63.5,55.88) 61.59,53.97 EX_B0.TP
Net-(IC14-UD+): length 9
  Top w0.25: IC14.5 16.85,56.36 15.92,55.43 USB_B_Mini.3
Net-(IC14-UD-): length 14.6
  Top w0.25: USB_B_Mini.2 6.77,55.41 6.77,53.89 7.65,53.01 15.03,53.01 17.12,55.09 IC14.6
Net-(IC14-~{DTR}): length 15.8
  Top w0.25: 22.38,57.63 25.62,57.63 R29.1 27.27,53.26 22.95,48.95 22.95,47.97 Q3.2
Net-(IC14-~{RTS}): length 22.2
  Top w0.25: R31.1 26.89,58.9 21.55,58.9 20.41,57.76 20.41,53.46 16.33,49.38 15.33,49.38
Net-(J2-RING): length 39.8
  Top w0.406: 74.21,115.89 74.21,108.66 74.3,108.58 ; 74.3,108.58 77.47,108.58 78.69,107.37 82.6,107.37 R20.2 ; 74.3,108.58 R28.2
Net-(J2-TIP): length 34.5
  Top w0.406: R27.2 59.45,111.12 64.21,115.89 64.21,116.52 65.87,118.18 80.01,118.18 82.29,115.9 86.66,115.9 R19.2
Net-(JP1-Pad8): length 19.9
  Top w0.406: R12.1 58.42,46.35 63.5,41.27 JP1.8
Net-(Q2-B): length 13.7
  Top w0.25: R29.2 26.66,48.36 23.73,45.43 16.73,45.43 15.33,46.84
Net-(Q3-B): length 11.9
  Top w0.25: Q3.1 20.78,46.58 21.13,46.23 23.73,46.23 26.79,49.3 28.87,49.3 R31.2
Net-(R14A-E): length 21.7
  Top w0.305: C14.- 111.12,121.63 112.09,120.67 112.09,117.14 120.65,108.58 120.65,106.55 R11#2.3
Net-(R14A-S): length 35.6
  Top w0.305: C16.- 109.11,122.3 110.54,123.72 111.71,123.72 113,122.43 113,118.77 122.5,109.27 122.5,107.1 122.93,106.68 122.93,102.87 119.47,102.87 R11#2.2
Net-(R14B-E): length 14.4
  Top w0.305: C15.- 115.65,112.7 115.65,106.21 R11#2.6
Net-(R14B-S): length 37.7
  Top w0.305: C17.- 110.16,121.34 110.16,122.7 110.73,123.27 111.52,123.27 112.55,122.24 112.55,117.96 117.48,113.03 117.48,113.02 122.05,108.45 122.05,107.29 121.03,106.27 121.03,103.93 120.93,103.84 117.93,103.84 R11#2.5
Net-(R22-Pad2): length 3.2
  Top w0.305: S1.1 R22.2
Net-(R23-PadS): length 5.7
  Top w0.305: 4.7u.2 123.12,91.44 R8.2 R6.2
Net-(S1B-1): length 19.3
  Top w0.305: R11.2 107.31,94.61 R7.1 109.86,93.47 108.23,91.84 108.23,88.5 109.86,86.87 S1.2
Net-(S1B-2): length 14
  Top w0.305: C7.- S1.7 102.23,86.87 103.86,88.5 103.86,91.84 102.23,93.47 R7.2
Net-(S1C-1): length 4.2
  Top w0.305: R21.2 110.49,88.9 S1.3
Net-(S1D-1): length 16.2
  Top w0.305: R9.2 107.31,97.16 R5.1 109.86,95.98 110.82,95.01 110.82,93.78 109.86,92.82 S1.4
Net-(S1D-2): length 11.2
  Top w0.305: R5.2 102.23,95.98 101.27,95.01 101.27,93.78 102.23,92.82 S1.5 98.42,91.44 C6.-

## Copper pours and planes (outline as drawn; the poured copper is in the pictures)
GND on Top: 125.2,-0.74 -0.74,-0.74 -0.74,125.2 125.2,125.2
GND on Bottom: 125.2,-0.74 -0.74,-0.74 -0.74,125.2 125.2,125.2

## Text on the board
B.Silkscreen: ~~ Pin 1 ~~ | DC IN: / 9~~12V 500mA / Center + / 2.1mm plug | Originated from: / VER 1.2A 14 DEC 2019 / 2019 kunoichi labs
User.Comments: 2024.7.1 v0.5 / 1.修复0.47版本所有音频电路BUG / 2.更换降压模块为效率最高，最省钱的MINI560 / 3.添加键盘连接器，含+5V / 2024.7.7 v0.6 / 1.修改背面版本丝印以避免争议 / 2.使用直插的Mini-USB避免连锡 / 3.贴片2SC1815避免连锡 / 4.所有无源器件和芯片尽可能换成SMD
F.Silkscreen: IC14 | github.com/denjhang | HOT ~~ | Volume | DC 9V | MegaGRRL Desktop DJ Rev.0.6 / Denjhang / 2024.7.7 | JLCJLCJLCJLC
